# KiCad board sizif128.kicad_pcb (continued)
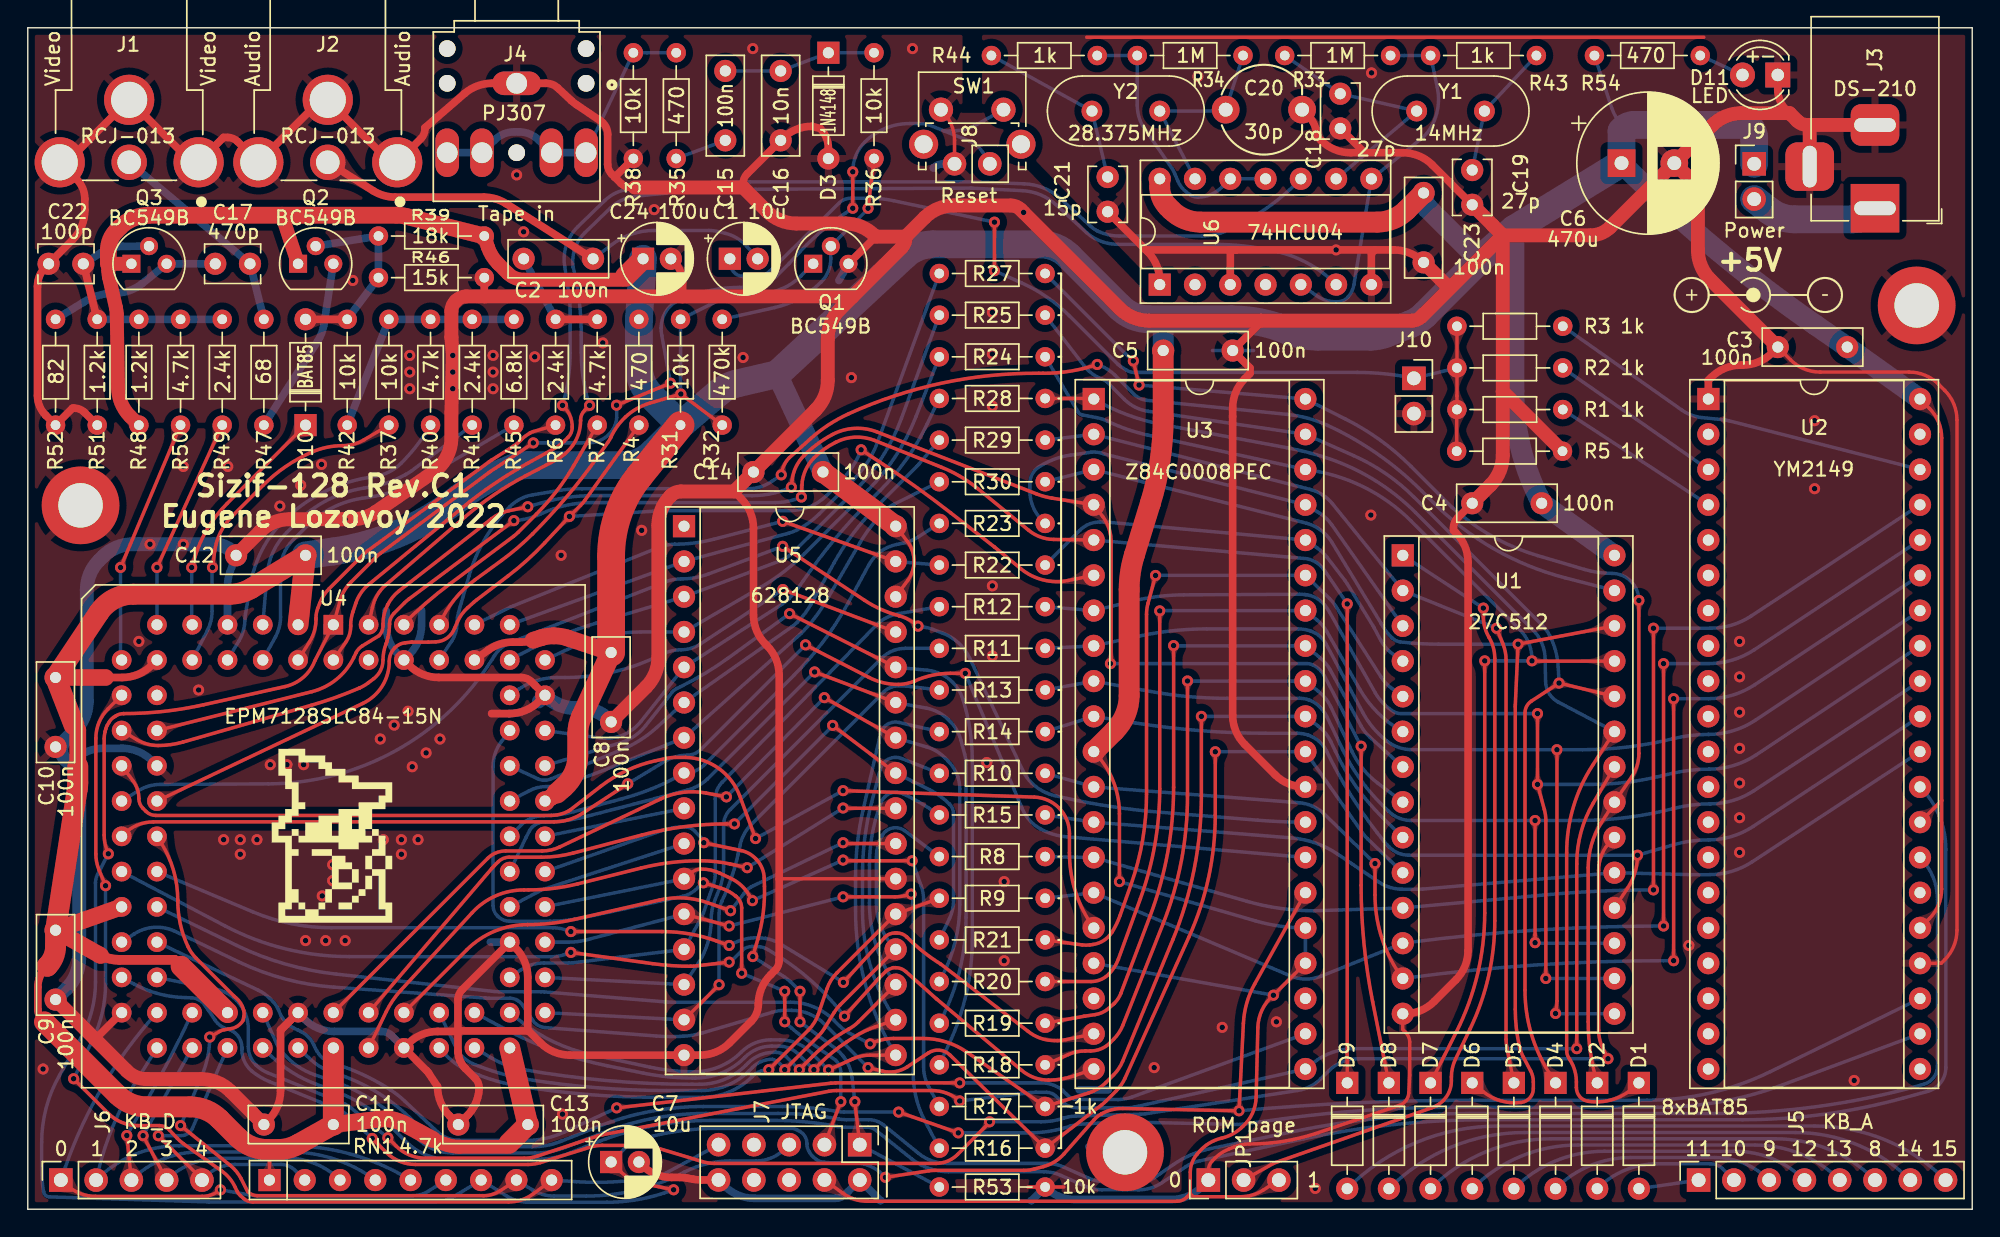
[diagram p0: board, top side]
## Copper pours and planes (outline as drawn; the poured copper is in the pictures) (continued)
+5V on Top: 39.54,40.29 39.82,40.2 40.07,40.12 40.5,40 40.69,39.95 40.86,39.89 41.02,39.82 41.17,39.74 41.31,39.64 41.44,39.53 42.38,39.97 41.9,40.89 41.72,40.88 41.55,40.89 41.39,40.91 41.22,40.95 41.05,41.01 40.86,41.08 40.44,41.24 40.2,41.33 39.92,41.42
+5V on Top: 137.3,21.64 137.19,21.47 137.08,21.35 136.97,21.26 136.85,21.21 136.73,21.17 136.6,21.14 136.46,21.12 136.31,21.1 136.15,21.07 135.98,21.02 135.96,19.98 137,20 137.06,20.18 137.1,20.34 137.13,20.49 137.16,20.62 137.19,20.74 137.23,20.87 137.27,21.01 137.33,21.15 137.41,21.32 137.51,21.51
+5V on Top: 24.3,6.98 24.02,6.94 23.76,6.9 23.31,6.82 23.12,6.8 22.94,6.78 22.77,6.77 22.6,6.78 22.43,6.81 22.26,6.86 21.6,6.05 22.43,5.43 22.59,5.51 22.74,5.58 22.9,5.63 23.07,5.66 23.25,5.68 23.45,5.7 23.89,5.73 24.15,5.75 24.44,5.78
+5V on Top: 4.95,20.5 5.2,20.6 5.43,20.68 5.64,20.77 5.84,20.85 6.01,20.92 6.18,20.98 6.33,21.02 6.46,21.06 6.58,21.07 6.68,21.07 7.1,21.9 6.25,22.28 6.17,22.21 6.07,22.15 5.95,22.1 5.8,22.04 5.64,21.98 5.45,21.93 5.25,21.86 5.03,21.8 4.8,21.72 4.55,21.64
+5V on Top: 33.84,68.95 33.76,69.09 33.69,69.21 33.64,69.32 33.6,69.42 33.58,69.52 33.56,69.62 33.55,69.71 33.55,69.8 33.55,69.9 33.56,70 32.76,70.43 32.36,69.62 32.44,69.52 32.51,69.43 32.56,69.33 32.61,69.23 32.65,69.12 32.7,69.01 32.75,68.88 32.81,68.75 32.89,68.6 32.98,68.44
+5V on Top: 88.2,0.9 88.47,0.98 88.69,1.04 88.89,1.08 89.06,1.12 89.22,1.15 89.38,1.17 89.55,1.19 89.94,1.23 90.18,1.26 90.44,2.33 89.36,2.55 89.24,2.34 89.15,2.16 89.07,1.98 89,1.82 88.92,1.68 88.82,1.55 88.71,1.43 88.56,1.32 88.37,1.22 88.13,1.14
+5V on Top: 137.7,29.52 137.52,29.35 137.36,29.2 137.21,29.08 137.07,28.98 136.93,28.9 136.79,28.83 136.64,28.78 136.48,28.74 136.31,28.7 136.11,28.67 135.96,27.6 137.03,27.75 137.06,27.95 137.1,28.12 137.14,28.28 137.19,28.43 137.26,28.57 137.34,28.71 137.44,28.85 137.56,29 137.71,29.16 137.88,29.34
+5V on Top: 90.44,16.34 90.34,16.24 90.24,16.16 90.16,16.09 90.09,16.03 90.02,15.99 89.94,15.94 89.86,15.91 89.77,15.87 89.67,15.83 89.55,15.79 89.54,15.27 90.06,15.28 90.1,15.4 90.14,15.5 90.18,15.59 90.21,15.67 90.26,15.75 90.3,15.82 90.36,15.89 90.43,15.97 90.51,16.07 90.61,16.17
+5V on Top: 137.58,22.35 137.5,22.07 137.4,21.85 137.29,21.67 137.16,21.53 137.01,21.42 136.84,21.32 136.66,21.25 136.45,21.17 136.23,21.1 135.98,21.02 135.96,19.98 137.01,20.06 137.09,20.34 137.17,20.57 137.25,20.77 137.33,20.95 137.41,21.12 137.49,21.3 137.57,21.49 137.65,21.71 137.74,21.97 137.83,22.28
+5V on Top: 17.28,3.69 17.27,3.5 17.24,3.35 17.2,3.22 17.14,3.11 17.08,3.02 17,2.92 16.93,2.83 16.84,2.72 16.76,2.6 16.68,2.45 17.4,1.7 18.12,2.45 18.04,2.6 17.96,2.72 17.87,2.83 17.8,2.92 17.72,3.02 17.66,3.11 17.6,3.22 17.56,3.35 17.53,3.5 17.53,3.69
+5V on Top: 6.18,58.13 6.29,57.84 6.41,57.6 6.54,57.39 6.67,57.21 6.8,57.06 6.93,56.91 7.05,56.77 7.16,56.61 7.26,56.45 7.34,56.26 8.25,56.23 8.23,57.14 8.08,57.2 7.94,57.27 7.81,57.35 7.69,57.44 7.58,57.55 7.48,57.69 7.38,57.84 7.29,58.01 7.21,58.21 7.13,58.44
+5V on Top: 3.59,38.9 3.41,38.9 3.11,38.9 2.98,38.9 2.86,38.9 2.75,38.91 2.65,38.92 2.55,38.94 2.45,38.98 2.35,39.02 1.6,38.3 2.35,37.58 2.45,37.62 2.55,37.66 2.65,37.68 2.75,37.69 2.86,37.7 2.98,37.7 3.11,37.7 3.41,37.7 3.59,37.7
+5V on Top: 7.61,38.13 7.88,38.2 8.1,38.28 8.29,38.36 8.45,38.44 8.6,38.51 8.75,38.59 8.9,38.67 9.06,38.74 9.25,38.81 9.48,38.87 9.56,39.8 8.64,39.81 8.57,39.63 8.5,39.47 8.43,39.32 8.35,39.19 8.26,39.07 8.16,38.97 8.03,38.88 7.88,38.8 7.69,38.72 7.47,38.66
+5V on Top: 6.17,67.6 6.31,67.6 6.56,67.61 6.67,67.61 6.77,67.6 6.86,67.6 6.94,67.59 7.02,67.57 7.1,67.55 7.18,67.52 7.78,68.1 7.18,68.68 7.1,68.65 7.02,68.63 6.94,68.61 6.86,68.6 6.77,68.6 6.67,68.59 6.56,68.59 6.31,68.6 6.17,68.6
+5V on Top: 30.7,70.03 30.95,69.97 31.19,69.91 31.41,69.86 31.62,69.82 31.81,69.78 31.97,69.74 32.12,69.7 32.25,69.66 32.35,69.61 32.42,69.56 33.21,70.01 32.73,70.79 32.64,70.78 32.53,70.79 32.4,70.81 32.25,70.84 32.08,70.89 31.9,70.94 31.7,71 31.48,71.06 31.24,71.13 30.99,71.19
+5V on Top: 63.94,46.6 63.93,46.96 63.88,47.26 63.81,47.52 63.72,47.74 63.61,47.95 63.51,48.14 63.42,48.35 63.35,48.58 63.3,48.85 63.29,49.17 62.25,49.52 62.13,48.49 62.66,48.22 62.9,48.1 63.1,47.97 63.28,47.82 63.43,47.66 63.55,47.46 63.63,47.22 63.68,46.94 63.69,46.61
+5V on Top: 23.51,6.88 23.33,6.86 23.03,6.82 22.9,6.81 22.79,6.8 22.68,6.79 22.57,6.79 22.47,6.8 22.37,6.82 22.26,6.86 21.6,6.05 22.43,5.43 22.52,5.48 22.62,5.52 22.72,5.56 22.82,5.58 22.93,5.61 23.04,5.62 23.17,5.64 23.47,5.67 23.65,5.69
+5V on Top: 8.33,38.41 8.49,38.49 8.62,38.56 8.74,38.61 8.85,38.66 8.94,38.7 9.04,38.73 9.14,38.77 9.51,38.88 9.56,39.8 8.64,39.81 8.59,39.69 8.56,39.58 8.53,39.48 8.51,39.38 8.47,39.29 8.43,39.21 8.38,39.12 8.3,39.05 8.2,38.97 8.08,38.89
+5V on Top: 137.28,29.09 137.14,28.97 137.01,28.88 136.89,28.82 136.77,28.78 136.66,28.76 136.54,28.74 136.42,28.73 136.29,28.71 136.14,28.68 135.98,28.64 135.96,27.6 137,27.62 137.04,27.78 137.07,27.93 137.09,28.06 137.1,28.18 137.12,28.3 137.14,28.41 137.18,28.53 137.24,28.65 137.33,28.78 137.45,28.92
+5V on Top: 4.39,38.9 4.1,38.9 3.84,38.89 3.39,38.87 3.19,38.86 3.01,38.86 2.84,38.88 2.67,38.9 2.51,38.95 2.35,39.02 1.6,38.3 2.35,37.58 2.51,37.65 2.67,37.7 2.84,37.72 3.01,37.74 3.19,37.74 3.39,37.73 3.84,37.71 4.1,37.7 4.39,37.7
+5V on Top: 37.99,30.68 37.88,30.59 37.78,30.5 37.68,30.41 37.58,30.34 37.5,30.28 37.41,30.22 37.34,30.18 37.27,30.14 37.21,30.12 37.15,30.11 36.94,29.21 37.85,29.03 37.89,29.09 37.95,29.15 38.02,29.2 38.1,29.26 38.3,29.4 38.41,29.48 38.53,29.57 38.66,29.67 38.79,29.78
+5V on Top: 78.2,31.03 78.08,31.32 77.99,31.56 77.91,31.77 77.85,31.96 77.8,32.13 77.75,32.31 77.7,32.49 77.65,32.68 77.59,32.91 77.52,33.17 76.49,33.26 76.44,32.22 76.67,32.13 76.87,32.05 77.06,31.97 77.22,31.89 77.36,31.8 77.5,31.69 77.62,31.55 77.74,31.39 77.86,31.19 77.97,30.94
+5V on Top: 63.82,47.43 63.74,47.69 63.6,48.1 63.55,48.27 63.5,48.43 63.45,48.58 63.41,48.74 63.37,48.92 63.32,49.12 63.27,49.36 62.25,49.52 62.13,48.49 62.34,48.39 62.53,48.31 62.71,48.25 62.87,48.18 63.02,48.11 63.16,48.03 63.28,47.92 63.39,47.77 63.49,47.59 63.58,47.35
+5V on Top: 90.95,16.5 91.09,16.63 91.22,16.72 91.34,16.78 91.45,16.82 91.57,16.84 91.68,16.86 91.81,16.87 91.94,16.89 92.09,16.92 92.25,16.96 92.27,18 91.23,17.98 91.19,17.82 91.16,17.67 91.14,17.54 91.13,17.41 91.11,17.3 91.09,17.18 91.05,17.07 90.99,16.95 90.9,16.82 90.77,16.68
+5V on Top: 59.48,0.87 59.21,0.98 58.99,1.1 58.82,1.23 58.69,1.36 58.58,1.51 58.49,1.68 58.41,1.86 58.33,2.06 58.23,2.27 58.11,2.51 57.02,2.36 57.21,1.27 57.48,1.22 57.71,1.18 57.92,1.13 58.1,1.08 58.27,1.03 58.45,0.97 58.64,0.91 58.85,0.83 59.1,0.74 59.39,0.63
+5V on Top: 4.05,21.46 3.78,21.36 3.54,21.27 3.12,21.1 2.94,21.02 2.77,20.97 2.6,20.92 2.44,20.89 2.27,20.89 2.09,20.9 1.62,19.97 2.57,19.54 2.7,19.66 2.84,19.75 2.98,19.84 3.14,19.91 3.31,19.97 3.5,20.03 3.93,20.16 4.18,20.24 4.45,20.33
+5V on Top: 63.59,46.03 63.5,45.79 63.4,45.6 63.29,45.45 63.17,45.33 63.03,45.24 62.88,45.16 62.71,45.09 62.53,45.02 62.33,44.93 62.12,44.83 62.25,43.8 63.28,43.97 63.32,44.22 63.37,44.43 63.41,44.61 63.46,44.77 63.5,44.93 63.55,45.09 63.67,45.46 63.75,45.69 63.83,45.96
+5V on Top: 6.52,57.39 6.63,57.22 6.73,57.08 6.83,56.96 6.92,56.85 7.01,56.76 7.09,56.66 7.17,56.57 7.23,56.48 7.29,56.37 7.34,56.25 8.25,56.23 8.23,57.14 8.13,57.18 8.03,57.22 7.95,57.27 7.86,57.32 7.78,57.39 7.7,57.46 7.62,57.55 7.54,57.65 7.46,57.77 7.37,57.91
+5V on Top: 33.68,40.88 33.46,40.79 33.27,40.7 33.1,40.63 32.96,40.56 32.83,40.49 32.69,40.44 32.56,40.39 32.41,40.34 32.24,40.3 32.04,40.26 31.87,39.35 32.79,39.22 32.87,39.39 32.95,39.54 33.02,39.67 33.1,39.79 33.18,39.9 33.27,40.01 33.39,40.1 33.52,40.19 33.69,40.28 33.89,40.37
+5V on Top: 89.05,14.43 89.11,14.55 89.17,14.64 89.24,14.72 89.3,14.79 89.36,14.84 89.43,14.89 89.51,14.93 89.6,14.96 89.7,15 89.81,15.03 89.83,15.55 89.31,15.55 89.26,15.43 89.22,15.32 89.18,15.23 89.14,15.15 89.1,15.07 89.06,14.99 88.82,14.55
+5V on Top: 38.83,31.78 38.69,31.46 38.53,31.18 38.36,30.94 38.18,30.73 37.99,30.55 37.8,30.4 37.62,30.28 37.45,30.19 37.29,30.14 37.15,30.11 36.94,29.21 37.9,29.14 37.99,29.29 38.14,29.43 38.33,29.57 38.55,29.73 38.8,29.9 39.05,30.11 39.3,30.34 39.55,30.62 39.77,30.95 39.95,31.34
+5V on Top: 17.28,4.09 17.27,3.88 17.26,3.69 17.24,3.52 17.22,3.36 17.18,3.23 17.14,3.1 17.08,2.98 17.01,2.87 16.93,2.77 16.83,2.66 17.4,1.7 17.97,2.66 17.87,2.77 17.79,2.87 17.72,2.98 17.66,3.1 17.62,3.23 17.58,3.36 17.56,3.52 17.54,3.69 17.53,3.88 17.53,4.09
+5V on Top: 34.19,68.49 34.03,68.66 33.9,68.82 33.79,68.98 33.7,69.13 33.64,69.27 33.59,69.41 33.56,69.55 33.55,69.7 33.55,69.85 33.56,70 32.76,70.43 32.37,69.61 32.5,69.46 32.6,69.3 32.68,69.14 32.76,68.97 32.83,68.8 32.91,68.62 33,68.43 33.13,68.22 33.28,68.01 33.48,67.79
+5V on Top: 87.33,0.78 87.71,0.79 88.03,0.83 88.31,0.88 88.55,0.94 88.77,1.01 88.98,1.08 89.21,1.15 89.46,1.2 89.74,1.24 90.08,1.25 90.44,2.33 89.36,2.55 89.19,2.27 89.04,2.02 88.9,1.8 88.75,1.6 88.6,1.43 88.42,1.29 88.21,1.17 87.97,1.09 87.68,1.04 87.33,1.03
+5V on Top: 137.83,56.34 137.74,56.65 137.65,56.91 137.57,57.13 137.49,57.32 137.41,57.5 137.33,57.67 137.25,57.85 137.17,58.05 137.09,58.28 137.01,58.56 135.96,58.64 135.98,57.6 136.23,57.52 136.45,57.45 136.66,57.37 136.84,57.3 137.01,57.2 137.16,57.09 137.29,56.95 137.4,56.77 137.5,56.55 137.58,56.27
+5V on Top: 5.81,67.6 6,67.6 6.18,67.61 6.49,67.62 6.63,67.62 6.75,67.62 6.87,67.61 6.97,67.6 7.06,67.57 7.14,67.53 7.78,68.1 7.14,68.67 7.06,68.63 6.97,68.6 6.87,68.59 6.75,68.58 6.63,68.58 6.49,68.58 6.18,68.59 6,68.6 5.81,68.6
+5V on Top: 63.69,46.78 63.68,46.44 63.64,46.15 63.56,45.91 63.44,45.7 63.29,45.53 63.11,45.38 62.9,45.24 62.66,45.11 62.12,44.83 62.25,43.8 63.29,44.16 63.3,44.49 63.34,44.76 63.42,45 63.51,45.21 63.61,45.42 63.72,45.62 63.81,45.85 63.89,46.11 63.93,46.42 63.93,46.79
+5V on Top: 90.38,15.93 90.59,16.14 90.78,16.3 90.95,16.43 91.11,16.53 91.27,16.62 91.43,16.69 91.6,16.75 91.79,16.81 92,16.88 92.25,16.96 92.27,18 91.23,17.98 91.15,17.73 91.08,17.52 91.02,17.33 90.96,17.16 90.89,17 90.8,16.84 90.7,16.68 90.57,16.51 90.41,16.32 90.2,16.11
+5V on Bottom: 89.58,20.36 89.88,20.3 90.12,20.24 90.33,20.18 90.52,20.12 90.68,20.05 90.84,19.97 91,19.88 91.38,19.68 91.62,19.55 92.39,20.25 91.66,20.99 91.43,20.88 91.23,20.79 91.05,20.71 90.88,20.64 90.71,20.59 90.54,20.55 90.36,20.53 90.15,20.54 89.91,20.56 89.63,20.6
+5V on Bottom: 113.57,81.15 113.5,81.4 113.44,81.61 113.41,81.79 113.39,81.95 113.38,82.11 113.39,82.26 113.41,82.42 113.43,82.59 113.46,82.78 113.49,83.01 112.69,83.43 112.3,82.61 112.46,82.45 112.59,82.31 112.72,82.19 112.82,82.07 112.92,81.96 113.01,81.83 113.09,81.69 113.17,81.52 113.25,81.32 113.34,81.08
+5V on Bottom: 79.78,23.39 79.64,23.43 79.52,23.47 79.42,23.51 79.34,23.55 79.26,23.59 79.19,23.63 79.12,23.68 79.04,23.74 78.96,23.81 78.87,23.9 78.41,23.66 78.67,23.21 78.79,23.23 78.9,23.24 78.99,23.25 79.08,23.26 79.16,23.26 79.25,23.25 79.35,23.24 79.45,23.22 79.57,23.19 79.71,23.15
+5V on Bottom: 92.12,17.87 92.12,18.16 92.14,18.41 92.17,18.62 92.21,18.8 92.26,18.97 92.32,19.13 92.4,19.3 92.49,19.48 92.59,19.68 92.71,19.91 91.99,20.66 91.27,19.91 91.39,19.68 91.49,19.48 91.58,19.3 91.66,19.13 91.72,18.97 91.77,18.8 91.81,18.62 91.84,18.41 91.86,18.16 91.87,17.87
+5V on Bottom: 79.12,17.42 78.84,17.48 78.6,17.54 78.4,17.61 78.22,17.68 78.06,17.76 77.92,17.85 77.77,17.96 77.61,18.08 77.43,18.21 77.22,18.37 76.36,17.79 76.97,16.95 77.22,17.02 77.43,17.09 77.62,17.15 77.8,17.19 77.97,17.23 78.14,17.25 78.33,17.26 78.55,17.25 78.79,17.22 79.08,17.18
+5V on Bottom: 90.38,20.23 90.57,20.2 90.72,20.16 90.85,20.1 90.96,20.04 91.06,19.97 91.15,19.89 91.24,19.81 91.35,19.72 91.47,19.64 91.62,19.55 92.39,20.25 91.66,20.99 91.51,20.91 91.39,20.84 91.28,20.76 91.18,20.68 91.08,20.61 90.98,20.56 90.87,20.51 90.75,20.48 90.59,20.47 90.41,20.48
+5V on Bottom: 78.34,17.56 78.15,17.61 78.01,17.66 77.89,17.72 77.79,17.8 77.71,17.88 77.63,17.97 77.55,18.06 77.46,18.16 77.35,18.26 77.22,18.37 76.36,17.79 76.97,16.95 77.13,17 77.26,17.06 77.38,17.12 77.49,17.19 77.6,17.24 77.7,17.29 77.82,17.32 77.95,17.34 78.11,17.34 78.29,17.32
+5V on Bottom: 116.69,74.49 116.53,74.65 116.39,74.78 116.26,74.9 116.14,75.02 116.04,75.13 115.95,75.23 115.87,75.33 115.8,75.44 115.74,75.56 115.69,75.68 114.39,75.7 114.43,74.4 114.55,74.35 114.67,74.29 114.78,74.23 114.89,74.15 115,74.06 115.11,73.95 115.22,73.84 115.49,73.57 115.66,73.41
+5V on Bottom: 113.35,81.82 113.31,81.98 113.29,82.11 113.29,82.23 113.3,82.33 113.33,82.43 113.36,82.53 113.4,82.63 113.43,82.74 113.47,82.86 113.49,83.01 112.69,83.43 112.3,82.61 112.4,82.51 112.5,82.43 112.6,82.37 112.69,82.31 112.77,82.25 112.85,82.18 112.93,82.11 112.99,82.01 113.06,81.89 113.12,81.74
+5V on Bottom: 91.87,20.11 91.86,19.82 91.84,19.57 91.81,19.36 91.77,19.18 91.72,19.01 91.66,18.85 91.58,18.68 91.49,18.5 91.39,18.3 91.27,18.07 91.99,17.32 92.71,18.07 92.59,18.3 92.49,18.5 92.4,18.68 92.32,18.85 92.26,19.01 92.21,19.18 92.17,19.36 92.14,19.57 92.12,19.82 92.12,20.11
+5V on Bottom: 117.41,73.81 117.15,74.05 116.9,74.27 116.68,74.46 116.48,74.64 116.3,74.8 116.14,74.96 116,75.13 115.88,75.3 115.78,75.48 115.69,75.68 114.39,75.7 114.43,74.4 114.63,74.32 114.82,74.22 115,74.1 115.16,73.96 115.33,73.8 115.5,73.62 115.69,73.43 115.89,73.21 116.12,72.97 116.38,72.72
GND on Top: -0.5,85.6 140.5,85.6 140.5,-0.4 -0.5,-0.4
GND on Bottom: -0.5,-0.4 -0.5,85.6 140.5,85.6 140.5,-0.4
A0 on Top: 74.28,5.34 74.14,5.25 74.02,5.19 73.91,5.15 73.81,5.13 73.71,5.12 73.61,5.12 73.5,5.12 73.38,5.12 73.25,5.11 73.11,5.09 72.97,4.19 73.88,4.09 73.94,4.22 73.98,4.34 74.01,4.45 74.04,4.56 74.06,4.66 74.1,4.75 74.15,4.84 74.21,4.94 74.31,5.04 74.43,5.15
A0 on Top: 71.67,5.77 71.85,5.59 71.99,5.43 72.11,5.28 72.2,5.15 72.28,5.01 72.34,4.87 72.4,4.73 72.45,4.56 72.52,4.38 72.59,4.16 73.5,4.16 73.47,5.06 73.26,5.13 73.07,5.19 72.91,5.25 72.76,5.3 72.62,5.36 72.48,5.43 72.34,5.52 72.19,5.63 72.03,5.78 71.84,5.95
A0 on Top: 62.31,10.02 62.09,10 61.89,9.99 61.72,10 61.57,10.02 61.43,10.06 61.3,10.12 61.18,10.19 61.05,10.28 60.91,10.38 60.76,10.51 60.31,10.25 60.58,9.81 60.79,9.84 60.96,9.86 61.12,9.85 61.27,9.84 61.41,9.81 61.56,9.79 61.72,9.77 61.89,9.75 62.1,9.75 62.34,9.77
A0 on Top: 85.62,31.76 85.63,31.9 85.63,32.03 85.64,32.13 85.65,32.23 85.67,32.31 85.69,32.4 85.72,32.48 85.76,32.57 85.81,32.66 85.86,32.78 85.5,33.15 85.14,32.78 85.19,32.66 85.24,32.57 85.28,32.48 85.31,32.4 85.33,32.31 85.35,32.23 85.36,32.13 85.37,32.03 85.37,31.9 85.38,31.76
A0 on Top: 72.17,5.28 72.28,5.16 72.36,5.05 72.42,4.95 72.45,4.85 72.47,4.75 72.49,4.65 72.5,4.54 72.52,4.43 72.55,4.3 72.59,4.16 73.5,4.16 73.47,5.06 73.33,5.1 73.21,5.13 73.09,5.14 72.98,5.16 72.88,5.17 72.78,5.19 72.68,5.22 72.58,5.28 72.47,5.35 72.34,5.46
A0 on Top: 74.83,5.77 74.63,5.62 74.45,5.5 74.29,5.4 74.14,5.33 73.99,5.28 73.85,5.23 73.69,5.2 73.52,5.17 73.33,5.13 73.11,5.09 72.97,4.19 73.88,4.09 73.98,4.29 74.06,4.46 74.14,4.62 74.21,4.76 74.29,4.89 74.38,5.01 74.49,5.14 74.62,5.27 74.79,5.41 74.99,5.57
A0 on Bottom: 93.47,31.08 93.3,31.32 93.17,31.53 93.08,31.72 93,31.89 92.95,32.06 92.91,32.23 92.88,32.41 92.85,32.61 92.82,32.83 92.78,33.09 91.76,33.29 91.6,32.26 91.83,32.14 92.03,32.03 92.21,31.94 92.36,31.85 92.51,31.75 92.65,31.64 92.79,31.52 92.93,31.36 93.09,31.17 93.26,30.93
A0 on Bottom: 97.19,25.81 97.4,25.6 97.56,25.42 97.7,25.25 97.8,25.09 97.89,24.94 97.96,24.78 98.02,24.61 98.09,24.42 98.16,24.21 98.25,23.96 99.29,23.96 99.25,25 99,25.08 98.78,25.14 98.59,25.2 98.42,25.26 98.26,25.33 98.1,25.41 97.94,25.5 97.77,25.63 97.58,25.79 97.36,25.99
A0 on Bottom: 93.01,31.73 92.91,31.89 92.84,32.03 92.8,32.16 92.78,32.28 92.78,32.4 92.79,32.51 92.8,32.64 92.8,32.77 92.8,32.92 92.78,33.09 91.76,33.29 91.6,32.26 91.75,32.19 91.89,32.13 92.02,32.09 92.14,32.06 92.25,32.02 92.36,31.98 92.47,31.93 92.58,31.85 92.69,31.73 92.8,31.59
A0 on Bottom: 8.25,20.26 8.04,20.19 7.86,20.13 7.71,20.09 7.57,20.06 7.44,20.03 7.31,20.02 7.18,20 6.86,19.97 6.67,19.95 6.46,19.05 7.37,18.87 7.46,19.04 7.53,19.19 7.59,19.32 7.65,19.45 7.72,19.57 7.79,19.67 7.88,19.77 8,19.86 8.15,19.94 8.34,20.02
A0 on Bottom: 86.7,33.08 86.55,33.09 86.43,33.09 86.32,33.1 86.23,33.11 86.14,33.13 86.06,33.15 85.97,33.18 85.88,33.22 85.78,33.26 85.67,33.31 85.3,32.95 85.68,32.59 85.79,32.65 85.89,32.7 85.98,32.74 86.06,32.77 86.14,32.79 86.23,32.81 86.33,32.82 86.43,32.83 86.56,32.83 86.7,32.83
A0 on Bottom: 8.97,20.42 8.66,20.38 8.39,20.34 8.16,20.29 7.96,20.23 7.78,20.18 7.6,20.13 7.41,20.07 7.2,20.03 6.97,19.98 6.69,19.95 6.46,19.05 7.37,18.87 7.62,19.3 7.73,19.48 7.85,19.64 7.97,19.78 8.11,19.89 8.28,19.99 8.48,20.07 8.72,20.13 9,20.17
A0 on Bottom: 97.77,25.25 97.9,25.12 97.99,24.99 98.05,24.87 98.09,24.76 98.12,24.64 98.13,24.53 98.15,24.4 98.17,24.27 98.2,24.12 98.25,23.96 99.29,23.96 99.25,25 99.08,25.05 98.94,25.07 98.81,25.09 98.68,25.1 98.56,25.11 98.45,25.13 98.33,25.16 98.21,25.22 98.08,25.31 97.94,25.43
A0 on Bottom: 90.4,32.83 90.59,32.83 90.74,32.8 90.87,32.76 90.98,32.7 91.07,32.64 91.17,32.56 91.26,32.49 91.37,32.4 91.49,32.32 91.64,32.24 92.39,32.96 91.64,33.68 91.49,33.6 91.37,33.52 91.26,33.43 91.17,33.36 91.07,33.28 90.98,33.22 90.87,33.16 90.74,33.12 90.59,33.09 90.4,33.08
A0 on Bottom: 89.6,32.83 89.89,32.83 90.14,32.81 90.35,32.78 90.53,32.74 90.7,32.69 90.86,32.63 91.03,32.55 91.21,32.46 91.41,32.36 91.64,32.24 92.39,32.96 91.64,33.68 91.41,33.56 91.21,33.46 91.03,33.37 90.86,33.29 90.7,33.23 90.53,33.18 90.35,33.14 90.14,33.11 89.89,33.09 89.6,33.08
A0 on Bottom: 59.57,10.95 59.67,10.85 59.76,10.76 59.82,10.68 59.88,10.6 59.93,10.53 59.97,10.46 60.01,10.38 60.04,10.29 60.08,10.19 60.12,10.07 60.64,10.06 60.63,10.58 60.51,10.62 60.41,10.66 60.32,10.69 60.24,10.73 60.17,10.77 60.1,10.82 60.02,10.88 59.94,10.94 59.85,11.03 59.75,11.13
A1 on Top: 84.62,34.31 84.63,34.45 84.63,34.58 84.64,34.68 84.65,34.78 84.67,34.86 84.69,34.95 84.72,35.03 84.76,35.12 84.81,35.21 84.86,35.33 84.5,35.7 84.14,35.33 84.19,35.21 84.24,35.12 84.28,35.03 84.31,34.95 84.33,34.86 84.35,34.78 84.36,34.68 84.37,34.58 84.37,34.45 84.38,34.31
A1 on Top: 71.46,8.49 71.67,8.34 71.84,8.21 71.98,8.08 72.09,7.96 72.19,7.84 72.27,7.72 72.35,7.58 72.44,7.43 72.53,7.26 72.64,7.06 73.54,7.2 73.36,8.09 73.13,8.12 72.94,8.15 72.77,8.18 72.61,8.21 72.47,8.24 72.32,8.29 72.17,8.36 72,8.44 71.82,8.55 71.61,8.7
A1 on Top: 72.04,8.09 72.17,7.99 72.26,7.9 72.34,7.8 72.39,7.71 72.43,7.62 72.46,7.52 72.49,7.42 72.53,7.31 72.57,7.19 72.64,7.06 73.54,7.2 73.36,8.09 73.21,8.11 73.08,8.11 72.97,8.11 72.86,8.1 72.76,8.1 72.66,8.1 72.55,8.12 72.44,8.15 72.32,8.21 72.18,8.3
A1 on Top: 75.21,8.14 74.96,8.07 74.75,8.02 74.57,7.99 74.4,7.97 74.25,7.97 74.1,7.98 73.94,8 73.77,8.02 73.58,8.06 73.35,8.09 72.92,7.3 73.73,6.89 73.89,7.05 74.03,7.18 74.16,7.3 74.28,7.41 74.4,7.5 74.52,7.59 74.67,7.67 74.84,7.74 75.04,7.82 75.28,7.9
A1 on Top: 74.54,7.93 74.38,7.89 74.25,7.87 74.13,7.87 74.03,7.89 73.93,7.92 73.83,7.95 73.73,7.99 73.62,8.03 73.5,8.06 73.35,8.09 72.92,7.3 73.73,6.89 73.83,6.99 73.91,7.09 73.98,7.19 74.04,7.28 74.1,7.36 74.17,7.44 74.24,7.51 74.34,7.58 74.46,7.64 74.61,7.69
A1 on Bottom: 11.27,20.96 11.04,21.08 10.85,21.19 10.69,21.29 10.56,21.4 10.44,21.5 10.33,21.62 10.23,21.74 10.12,21.88 10,22.04 9.86,22.22 8.98,21.93 9.3,21.07 9.53,21.07 9.73,21.07 9.91,21.08 10.07,21.07 10.22,21.06 10.38,21.03 10.54,20.99 10.72,20.93 10.93,20.85 11.16,20.74
A1 on Bottom: 85.69,35.62 85.55,35.63 85.42,35.63 85.32,35.64 85.22,35.65 85.14,35.67 85.05,35.69 84.97,35.72 84.88,35.76 84.79,35.81 84.67,35.86 84.3,35.5 84.67,35.14 84.79,35.19 84.88,35.24 84.97,35.28 85.05,35.31 85.14,35.33 85.22,35.35 85.32,35.36 85.42,35.37 85.55,35.37 85.69,35.38
A1 on Bottom: 90.4,35.38 90.59,35.37 90.74,35.34 90.87,35.3 90.98,35.24 91.07,35.18 91.17,35.1 91.26,35.03 91.37,34.94 91.49,34.86 91.64,34.78 92.39,35.5 91.64,36.22 91.49,36.14 91.37,36.06 91.26,35.97 91.17,35.9 91.07,35.82 90.98,35.76 90.87,35.7 90.74,35.66 90.59,35.63 90.4,35.62
A1 on Bottom: 59.54,12.34 59.67,12.28 59.77,12.22 59.86,12.16 59.94,12.11 60.01,12.05 60.07,11.99 60.13,11.93 60.19,11.85 60.26,11.77 60.33,11.67 60.83,11.82 60.66,12.31 60.54,12.31 60.43,12.32 60.34,12.32 60.25,12.34 60.17,12.35 60.08,12.38 59.99,12.41 59.89,12.45 59.78,12.5 59.65,12.56
A1 on Bottom: 94,33.58 93.86,33.9 93.72,34.17 93.59,34.39 93.47,34.57 93.34,34.74 93.22,34.91 93.1,35.09 92.98,35.28 92.86,35.52 92.73,35.8 91.67,35.74 91.83,34.72 92.11,34.66 92.37,34.61 92.6,34.56 92.82,34.5 93.01,34.42 93.18,34.32 93.35,34.18 93.49,34 93.63,33.77 93.77,33.49
A1 on Bottom: 96.37,29.3 96.67,28.95 96.93,28.65 97.16,28.39 97.35,28.16 97.53,27.95 97.68,27.72 97.83,27.49 97.96,27.21 98.1,26.89 98.25,26.51 99.29,26.5 99.26,27.54 98.87,27.67 98.55,27.8 98.27,27.92 98.02,28.05 97.79,28.2 97.57,28.37 97.35,28.57 97.12,28.82 96.86,29.11 96.56,29.46
A1 on Bottom: 93.59,34.3 93.44,34.5 93.32,34.67 93.22,34.82 93.14,34.96 93.07,35.08 93.01,35.21 92.88,35.5 92.8,35.67 92.7,35.86 91.67,35.74 91.83,34.72 92.03,34.68 92.22,34.66 92.39,34.65 92.54,34.64 92.69,34.63 92.83,34.59 92.96,34.54 93.1,34.45 93.24,34.32 93.39,34.15
A1 on Bottom: 97.78,27.81 97.91,27.67 98,27.54 98.06,27.42 98.1,27.31 98.12,27.19 98.14,27.07 98.15,26.95 98.17,26.82 98.2,26.67 98.25,26.51 99.29,26.5 99.26,27.54 99.09,27.58 98.95,27.61 98.81,27.63 98.69,27.64 98.57,27.65 98.46,27.67 98.34,27.71 98.22,27.77 98.09,27.86 97.95,27.98
A1 on Bottom: 89.6,35.38 89.89,35.37 90.14,35.35 90.35,35.32 90.53,35.28 90.7,35.23 90.86,35.17 91.03,35.09 91.21,35 91.41,34.9 91.64,34.78 92.39,35.5 91.64,36.22 91.41,36.1 91.21,36 91.03,35.91 90.86,35.83 90.7,35.77 90.53,35.72 90.35,35.68 90.14,35.65 89.89,35.63 89.6,35.62
A1 on Bottom: 10.63,21.27 10.49,21.35 10.37,21.43 10.29,21.52 10.22,21.6 10.16,21.69 10.12,21.78 10.07,21.88 10.01,21.99 9.95,22.1 9.86,22.22 8.98,21.93 9.3,21.07 9.45,21.08 9.58,21.09 9.7,21.11 9.8,21.14 9.91,21.16 10.01,21.17 10.12,21.17 10.24,21.15 10.37,21.11 10.52,21.05
A2 on Top: 83.62,36.86 83.63,37 83.63,37.13 83.64,37.23 83.65,37.33 83.67,37.41 83.69,37.5 83.72,37.58 83.76,37.67 83.81,37.76 83.86,37.88 83.5,38.25 83.14,37.88 83.19,37.76 83.24,37.67 83.28,37.58 83.31,37.5 83.33,37.41 83.35,37.33 83.36,37.23 83.37,37.13 83.37,37 83.38,36.86
A2 on Top: 74.47,11.08 74.32,11.02 74.19,10.99 74.07,10.97 73.96,10.98 73.86,10.99 73.76,11.01 73.66,11.04 73.55,11.07 73.42,11.09 73.27,11.1 72.93,10.26 73.78,9.95 73.87,10.06 73.94,10.17 74,10.27 74.05,10.37 74.1,10.46 74.16,10.54 74.22,10.62 74.31,10.7 74.43,10.78 74.57,10.85
A2 on Top: 76.29,11.52 75.87,11.53 75.52,11.5 75.22,11.45 74.96,11.39 74.72,11.31 74.48,11.24 74.23,11.18 73.96,11.13 73.65,11.1 73.28,11.1 72.93,10.26 73.78,9.95 74.01,10.22 74.22,10.46 74.41,10.66 74.6,10.84 74.8,10.99 75.02,11.11 75.27,11.19 75.55,11.25 75.89,11.28 76.28,11.27
A2 on Bottom: 94.01,36.06 93.87,36.39 93.73,36.66 93.6,36.88 93.48,37.07 93.35,37.25 93.23,37.42 93.1,37.6 92.98,37.8 92.86,38.04 92.74,38.33 91.68,38.29 91.82,37.26 92.11,37.2 92.37,37.14 92.61,37.09 92.82,37.02 93.01,36.94 93.19,36.83 93.35,36.69 93.5,36.5 93.64,36.26 93.77,35.97
A2 on Bottom: 89.6,37.91 89.89,37.91 90.14,37.89 90.35,37.86 90.53,37.82 90.7,37.77 90.86,37.71 91.03,37.63 91.21,37.54 91.41,37.44 91.64,37.32 92.39,38.04 91.64,38.76 91.41,38.64 91.21,38.54 91.03,38.45 90.86,38.37 90.7,38.31 90.53,38.26 90.35,38.22 90.14,38.19 89.89,38.17 89.6,38.16
A2 on Bottom: 84.7,38.16 84.56,38.17 84.43,38.17 84.33,38.18 84.23,38.19 84.14,38.21 84.06,38.23 83.98,38.26 83.89,38.3 83.79,38.35 83.68,38.41 83.3,38.06 83.67,37.69 83.78,37.74 83.88,37.78 83.97,37.82 84.06,37.85 84.14,37.87 84.23,37.89 84.32,37.9 84.43,37.91 84.55,37.91 84.7,37.91
A2 on Bottom: 97.66,30.18 97.8,30.06 97.91,29.95 97.98,29.84 98.04,29.73 98.08,29.62 98.1,29.5 98.13,29.38 98.17,29.25 98.22,29.11 98.29,28.96 99.32,29.08 99.16,30.1 98.99,30.13 98.84,30.14 98.71,30.14 98.58,30.13 98.47,30.13 98.35,30.14 98.23,30.16 98.1,30.2 97.96,30.28 97.81,30.38
A2 on Bottom: 95.96,31.74 96.28,31.35 96.56,31.04 96.82,30.77 97.05,30.55 97.27,30.34 97.48,30.14 97.68,29.92 97.87,29.66 98.08,29.34 98.29,28.96 99.32,29.08 99.16,30.1 98.74,30.19 98.37,30.27 98.05,30.36 97.76,30.47 97.5,30.59 97.24,30.75 96.99,30.95 96.74,31.2 96.46,31.51 96.16,31.89
A2 on Bottom: 93.61,36.79 93.46,36.99 93.34,37.17 93.24,37.32 93.16,37.46 93.09,37.59 93.02,37.72 92.96,37.86 92.89,38.01 92.81,38.19 92.71,38.39 91.68,38.29 91.82,37.26 92.03,37.22 92.22,37.2 92.39,37.18 92.55,37.17 92.7,37.14 92.84,37.11 92.98,37.04 93.12,36.95 93.26,36.82 93.4,36.64
A2 on Bottom: 90.4,37.91 90.59,37.91 90.74,37.88 90.87,37.84 90.98,37.78 91.07,37.72 91.17,37.64 91.26,37.57 91.37,37.48 91.49,37.4 91.64,37.32 92.39,38.04 91.64,38.76 91.49,38.68 91.37,38.6 91.26,38.51 91.17,38.44 91.07,38.36 90.98,38.3 90.87,38.24 90.74,38.2 90.59,38.17 90.4,38.16
